# KiCad board RADAR_Main_Boardq.kicad_pcb (continued)
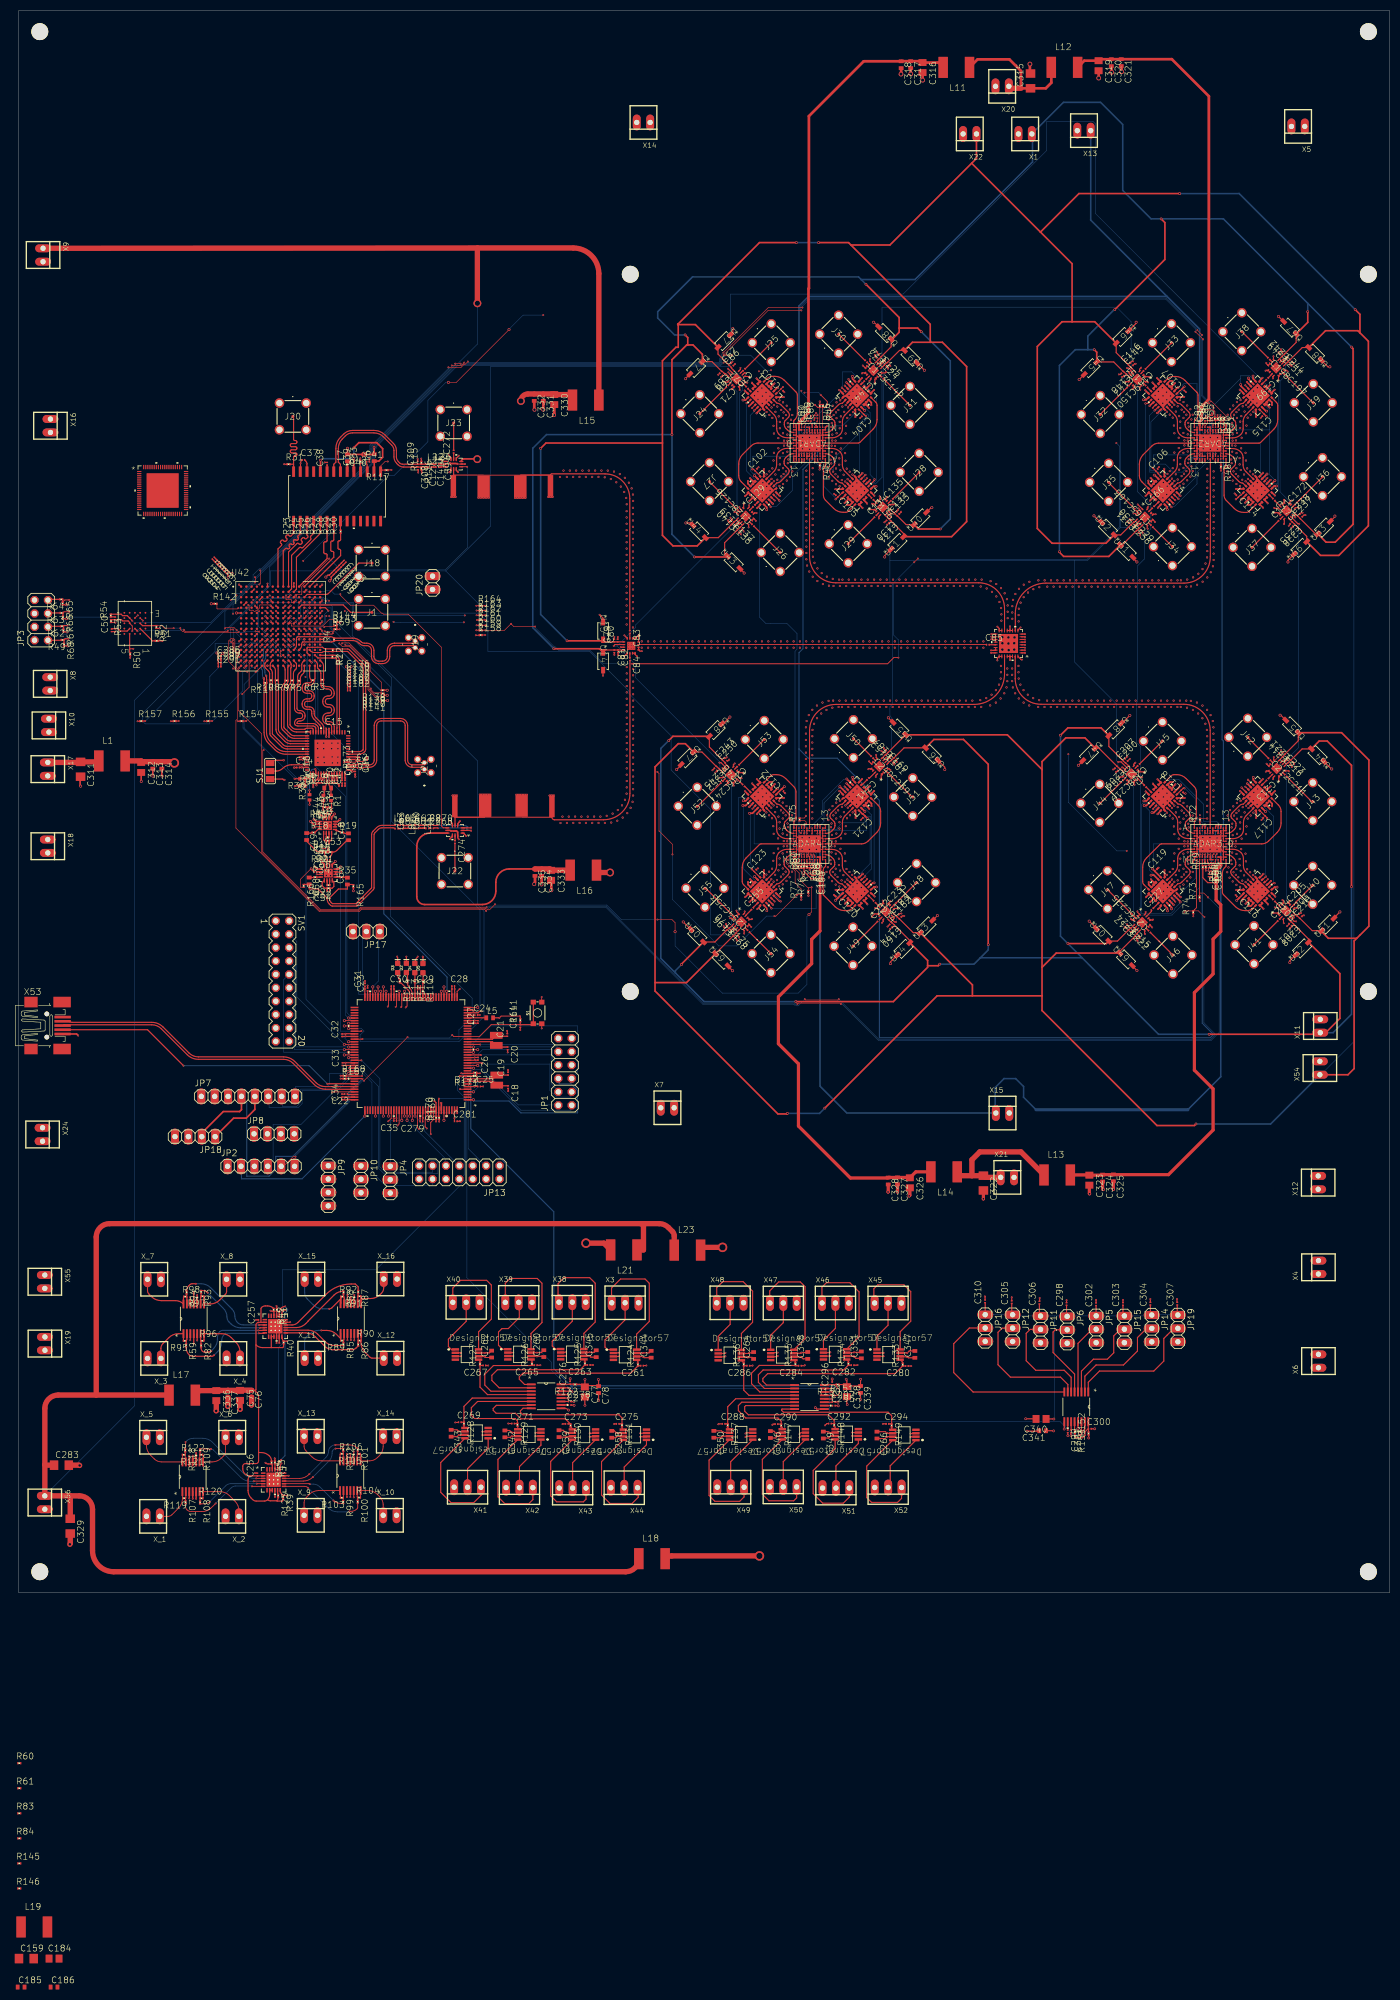
[diagram p0: board, top side]
## Nets (continued)
N$53: ADAR2_0.N9 C93.1
N$56: C44.1 U4.11
N$57: ADAR3_0.B3 R72.1
N$58: C61.1 L3.2
N$59: ADAR3_0.M9 C95.1
N$60: ADAR3_0.M8 C94.1
N$61: ADAR3_0.N10 C96.1
N$62: C62.1 L4.2
N$63: ADAR3_0.N9 C97.1
N$64: ADAR4_0.B3 R75.1
N$65: C45.1 U4.10
N$66: ADAR1_0.N9 C91.1
N$67: C46.2 R16.1 R17.2
N$68: ADAR4_0.M9 C99.1
N$69: ADAR4_0.M8 C98.1
N$70: ADAR4_0.N10 C100.1
N$71: C64.1 L9.2
N$72: C274.1 U13.11
N$73: C48.2 R19.2
N$74: C70.2 RF_SW_3.3
N$75: ADAR4_0.N9 C101.1
N$76: ADAR1_0.M9 C89.1
N$77: ADAR1_0.M8 C88.1
N$78: C49.1 R18.1
N$79: ADAR1_0.N10 C90.1
N$80: ADAR2_0.N5 R55.1 R78.2
N$81: ADAR3_0.N4 R56.1 R79.2
N$82: C65.1 L10.2
N$83: ADAR4_0.N5 R58.1 R81.2
N$84: ADAR4_0.N4 R57.1 R80.2
N$85: C54.2 R32.2 U8.1
N$86: C54.1 R32.1 U8.4
N$87: R22.1 U8.3
N$88: R22.2 U8.2
N$89: R35.1 U8.5
N$91: R112.2 U2.53
N$92: D3.A R114.1
N$93: R113.2 U2.54
N$94: R114.2 U2.55
N$95: D2.A R113.1
N$96: C39.1 U3.19
N$97: D4.A R112.1
N$98: D5.A R110.1
N$99: C141.1 L22.2 L26.1
N$100: C72.1 RF_SW_3.15
N$101: C141.2 L25.2 L27.1
N$102: C56.2 U8.14
N$103: R34.2 U8.16
N$104: C51.1 U8.11
N$105: C52.1 U8.10
N$106: R138.2 U42.M9
N$107: R139.2 U42.M10
N$108: R140.2 U42.M11
N$109: R141.2 U42.L9
N$110: C53.2 R20.1 R21.2
N$111: C57.2 R35.2
N$112: C58.1 R34.1
N$113: C63.1 C64.2 L3.1 L8.2
N$114: R142.2 U42.E7
N$115: R144.1 U42.H10
N$116: R143.1 U42.K10
N$125: C63.2 C65.2 L4.1 L8.1
N$127: C71.1 RF_SW_3.10
N$128: C70.1 J25.1
N$129: C71.2 J24.1
N$130: C126.2 RF_SW_1.3
N$131: C129.1 RF_SW_1.15
N$132: C128.1 RF_SW_1.10
N$133: C126.1 J27.1
N$134: C128.2 J26.1
N$135: C134.2 RF_SW_2.3
N$136: C136.1 RF_SW_2.15
N$137: C135.1 RF_SW_2.10
N$138: C134.1 J29.1
N$139: C135.2 J28.1
N$140: C142.2 RF_SW_4.3
N$141: C144.1 RF_SW_4.15
N$142: C143.1 RF_SW_4.10
N$143: C142.1 J31.1
N$144: C143.2 J30.1
N$145: C149.2 RF_SW_7.3
N$146: C151.1 RF_SW_7.15
N$147: C150.1 RF_SW_7.10
N$148: C149.1 J33.1
N$149: C150.2 J32.1
N$150: C163.2 RF_SW_5.3
N$151: C166.1 RF_SW_5.15
N$152: C165.1 RF_SW_5.10
N$153: C163.1 J35.1
N$154: C165.2 J34.1
N$155: C171.2 RF_SW_6.3
N$156: C173.1 RF_SW_6.15
N$157: C172.1 RF_SW_6.10
N$158: C171.1 J37.1
N$159: C172.2 J36.1
N$160: C197.2 RF_SW_8.3
N$161: C199.1 RF_SW_8.15
N$162: C198.1 RF_SW_8.10
N$163: C197.1 J39.1
N$164: C198.2 J38.1
N$165: C204.2 RF_SW_10.3
N$166: C206.1 RF_SW_10.15
N$167: C205.1 RF_SW_10.10
N$168: C204.1 J41.1
N$169: C205.2 J40.1
N$170: C211.2 RF_SW_12.3
N$171: C213.1 RF_SW_12.15
N$172: C212.1 RF_SW_12.10
N$173: C211.1 J43.1
N$174: C212.2 J42.1
N$175: C218.2 RF_SW_11.3
N$176: C220.1 RF_SW_11.15
N$177: C219.1 RF_SW_11.10
N$178: C218.1 J45.1
N$179: C219.2 J44.1
N$180: C225.2 RF_SW_9.3
N$181: C227.1 RF_SW_9.15
N$182: C226.1 RF_SW_9.10
N$183: C225.1 J47.1
N$184: C226.2 J46.1
N$185: C232.2 RF_SW_14.3
N$186: C234.1 RF_SW_14.15
N$187: C233.1 RF_SW_14.10
N$188: C232.1 J49.1
N$189: C233.2 J48.1
N$190: C239.2 RF_SW_16.3
N$191: C241.1 RF_SW_16.15
N$192: C240.1 RF_SW_16.10
N$193: C239.1 J51.1
N$194: C240.2 J50.1
N$195: C246.2 RF_SW_15.3
N$196: C248.1 RF_SW_15.15
N$197: C247.1 RF_SW_15.10
N$198: C246.1 J53.1
N$199: C247.2 J52.1
N$200: C253.2 RF_SW_13.3
N$201: C255.1 RF_SW_13.15
N$202: C254.1 RF_SW_13.10
N$203: C253.1 J55.1
N$204: C254.2 J54.1
N$205: R43.2 U69.21
N$206: OPA_4.2 R85.1 R89.1
N$207: U11.8 X3.1
N$208: OPA_4.6 R86.1 R90.1
N$209: U11.1 X3.2
N$210: R124.2 U11.5
N$211: C261.2 R124.1 U10.1
N$212: U73.8 X38.1
N$213: OPA_4.9 R87.2 R91.2
N$214: U73.1 X38.2
N$215: R125.2 U73.5
N$216: OPA_4.13 R88.2 R92.2
N$217: C263.2 R125.1 U10.2
N$218: U74.8 X39.1
N$219: U74.1 X39.2
N$220: R126.2 U74.5
N$221: R41.2 U7.21
N$222: OPA_2.2 R59.1 R95.1
N$223: C265.2 R126.1 U10.3
N$224: OPA_2.6 R82.1 R96.1
N$225: U75.8 X40.1
N$226: U75.1 X40.2
N$227: R127.2 U75.5
N$228: OPA_2.9 R93.2 R97.2
N$229: C267.2 R127.1 U10.4
N$230: U76.8 X41.1
N$231: OPA_2.13 R94.2 R98.2
N$232: U76.1 X41.2
N$233: R128.2 U76.5
N$234: C269.2 R128.1 U10.5
N$235: U77.8 X42.1
N$236: U77.1 X42.2
N$237: R129.2 U77.5
N$238: OPA_3.2 R99.1 R103.1
N$239: C271.2 R129.1 U10.6
N$240: OPA_3.6 R100.1 R104.1
N$241: U78.8 X43.1
N$242: U78.1 X43.2
N$243: R130.2 U78.5
N$244: OPA_3.9 R101.2 R105.2
N$245: C273.2 R130.1 U10.7
N$246: U79.8 X44.1
N$247: OPA_3.13 R102.2 R106.2
N$248: U79.1 X44.2
N$249: R131.2 U79.5
N$250: C275.2 R131.1 U10.8
N$251: C277.1 U10.10
N$252: C276.1 R132.2 U10.16
N$253: C278.1 U10.11
N$254: OPA_1.2 R107.1 R119.1
N$255: U80.8 X45.1
N$256: OPA_1.6 R108.1 R120.1
N$257: U80.1 X45.2
N$258: R133.2 U80.5
N$259: C280.2 R133.1 U88.1
N$260: OPA_1.9 R109.2 R121.2
N$261: U81.8 X46.1
N$262: U81.1 X46.2
N$263: OPA_1.13 R118.2 R122.2
N$264: R134.2 U81.5
N$265: C282.2 R134.1 U88.2
N$266: U82.8 X47.1
N$267: U82.1 X47.2
N$268: R135.2 U82.5
N$269: C284.2 R135.1 U88.3
N$270: U83.8 X48.1
N$271: U83.1 X48.2
N$272: R136.2 U83.5
N$273: C286.2 R136.1 U88.4
N$274: U84.8 X49.1
N$275: U84.1 X49.2
N$276: R137.2 U84.5
N$277: C288.2 R137.1 U88.5
N$278: U85.8 X50.1
N$279: U85.1 X50.2
N$280: R147.2 U85.5
N$281: C290.2 R147.1 U88.6
N$282: U86.8 X51.1
N$283: U86.1 X51.2
N$284: R148.2 U86.5
N$285: C292.2 R148.1 U88.7
N$286: U87.8 X52.1
N$287: U87.1 X52.2
N$288: R149.2 U87.5
N$289: C294.2 R149.1 U88.8
N$290: C295.1 U88.10
N$291: C296.1 R150.2 R151.2 U88.16
N$292: C297.1 U88.11
N$293: R151.1 U88.13
N$294: R153.1 U89.12
N$295: JP5.2 U89.4
N$296: JP6.2 U89.5
N$297: JP19.2 U89.1
N$298: JP12.2 U89.7
N$299: JP14.2 U89.2
N$300: C60.1 C61.2 L2.2 L24.1
N$301: JP16.2 U89.8
N$302: C299.1 U89.10
N$303: C300.1 R152.2 R153.2 U89.16
N$304: C301.1 U89.11
N$305: C60.2 C62.2 L2.1 L28.1
N$306: JP11.2 U89.6
N$307: JP15.2 U89.3
N$308: C268.1 L24.2
N$309: C270.1 L28.2
PA_BIAS1_1: ADAR1_0.A10 ADTR1107_3.7 C103.1
PA_BIAS1_2: ADAR2_0.A10 ADTR1107_7.7 C107.1
PA_BIAS1_3: ADAR3_0.A10 ADTR1107_10.7 C116.1
PA_BIAS1_4: ADAR4_0.A10 ADTR1107_14.7 C120.1
PA_BIAS2_1: ADAR1_0.A9 ADTR1107_1.7 C102.1
PA_BIAS2_2: ADAR2_0.A9 ADTR1107_5.7 C106.1
PA_BIAS2_3: ADAR3_0.A9 ADTR1107_12.7 C117.1
PA_BIAS2_4: ADAR4_0.A9 ADTR1107_16.7 C121.1
PA_BIAS3_1: ADAR1_0.A5 ADTR1107_2.7 C105.1
PA_BIAS3_2: ADAR2_0.A5 ADTR1107_6.7 C114.1
PA_BIAS3_3: ADAR3_0.A5 ADTR1107_11.7 C118.1
PA_BIAS3_4: ADAR4_0.A5 ADTR1107_15.7 C122.1
PA_BIAS4_1: ADAR1_0.A4 ADTR1107_4.7 C104.1
PA_BIAS4_2: ADAR2_0.A4 ADTR1107_8.7 C115.1
PA_BIAS4_3: ADAR3_0.A4 ADTR1107_9.7 C119.1
PA_BIAS4_4: ADAR4_0.A4 ADTR1107_13.7 C123.1
RF_IO: C85.2 U16.21
RF_IO_1: ADAR1_0.A7 U16.14
RF_IO_2: ADAR2_0.A7 U16.10
RF_IO_3: ADAR3_0.A7 U16.31
RF_IO_4: ADAR4_0.A7 U16.27
RF_RX: U13.5 U$3.P$1
RF_RX_FIL: C84.2 U$3.P$2
RF_TX: U5.5 U$2.P$2
RF_TX_FIL: C83.1 U$2.P$1
RX1_1: ADAR1_0.J13 ADTR1107_3.2
RX1_2: ADAR2_0.J13 ADTR1107_7.2
RX1_3: ADAR3_0.J13 ADTR1107_10.2
RX1_4: ADAR4_0.J13 ADTR1107_14.2
RX2_1: ADAR1_0.C13 ADTR1107_1.2
RX2_2: ADAR2_0.C13 ADTR1107_5.2
RX2_3: ADAR3_0.C13 ADTR1107_12.2
RX2_4: ADAR4_0.C13 ADTR1107_16.2
RX3_1: ADAR1_0.E1 ADTR1107_2.2
RX3_2: ADAR2_0.E1 ADTR1107_6.2
RX3_3: ADAR3_0.E1 ADTR1107_11.2
RX3_4: ADAR4_0.E1 ADTR1107_15.2
RX4_1: ADAR1_0.L1 ADTR1107_4.2
RX4_2: ADAR2_0.L1 ADTR1107_8.2
RX4_3: ADAR3_0.L1 ADTR1107_9.2
RX4_4: ADAR4_0.L1 ADTR1107_13.2
STEPPER_CLK+: JP9.4 U2.119
STEPPER_CW+: JP9.2 U2.118
STM32_MISO1: U2.42 U42.G14
STM32_MISO4: JP1.8 JP13.1 U2.4
STM32_MISO_1V8: ADAR1_0.M4 ADAR2_0.M4 ADAR3_0.M4 ADAR4_0.M4 R164.2 U42.N3
STM32_MOSI1: U2.43 U42.H13
STM32_MOSI4: JP1.7 JP13.3 U2.5
STM32_MOSI_1V8: ADAR1_0.M5 ADAR2_0.M5 ADAR3_0.M5 ADAR4_0.M5 R163.2 U42.M1
STM32_NRST: C164.2 JP2.5 R111.1 S1.3 S1.4 U2.25
STM32_OSC_32_N: C18.1 U2.8 XTAL3.2
STM32_OSC_32_P: C19.1 U2.9 XTAL3.1
STM32_OSC_N: C20.1 U2.23 XTAL1.2
STM32_OSC_P: C21.1 U2.24 XTAL1.1
STM32_RX3: JP17.2 U2.70
STM32_RX5: JP8.3 U2.116
STM32_SCL1: R170.2 U2.136 U7.20 U69.20
STM32_SCL2: R172.2 U2.11 U10.14 U88.14 U89.14
STM32_SCL3: JP7.4 JP18.2 R167.2 U2.100
STM32_SCLK1: U2.41 U42.J16
STM32_SCLK4: JP1.6 JP13.2 U2.1
STM32_SCLK_1V8: ADAR1_0.M6 ADAR2_0.M6 ADAR3_0.M6 ADAR4_0.M6 R162.2 U42.P5
STM32_SDA1: R169.2 U2.137 U7.19 U69.19
STM32_SDA2: R171.2 U2.10 U10.15 U88.15 U89.15
STM32_SDA3: JP7.5 JP18.1 R168.2 U2.99
STM32_SWCLK: JP2.2 U2.109
STM32_SWDIO: JP2.4 U2.105
STM32_SWO: JP2.6 U2.133
STM32_TX3: JP17.1 U2.69
STM32_TX5: JP8.2 U2.113
STM32_USB_FS_D_N: U2.103 X53.2
STM32_USB_FS_D_P: U2.104 X53.3
STM32_USB_FS_ID: U2.102 X53.4
TR_SW_POS_1: ADAR1_0.B5 ADTR1107_1.20 ADTR1107_2.20 ADTR1107_3.20 ADTR1107_4.20
TR_SW_POS_2: ADAR2_0.B5 ADTR1107_5.20 ADTR1107_6.20 ADTR1107_7.20 ADTR1107_8.20
TR_SW_POS_3: ADAR3_0.B5 ADTR1107_9.20 ADTR1107_10.20 ADTR1107_11.20 ADTR1107_12.20
TR_SW_POS_4: ADAR4_0.B5 ADTR1107_13.20 ADTR1107_14.20 ADTR1107_15.20 ADTR1107_16.20
TX1_1: ADAR1_0.L13 ADTR1107_3.5
TX1_2: ADAR2_0.L13 ADTR1107_7.5
TX1_3: ADAR3_0.L13 ADTR1107_10.5
TX1_4: ADAR4_0.L13 ADTR1107_14.5
TX2_1: ADAR1_0.E13 ADTR1107_1.5
TX2_2: ADAR2_0.E13 ADTR1107_5.5
TX2_3: ADAR3_0.E13 ADTR1107_12.5
TX2_4: ADAR4_0.E13 ADTR1107_16.5
TX3_1: ADAR1_0.C1 ADTR1107_2.5
TX3_2: ADAR2_0.C1 ADTR1107_6.5
TX3_3: ADAR3_0.C1 ADTR1107_11.5
TX3_4: ADAR4_0.C1 ADTR1107_15.5
TX4_1: ADAR1_0.J1 ADTR1107_4.5
TX4_2: ADAR2_0.J1 ADTR1107_8.5
TX4_3: ADAR3_0.J1 ADTR1107_9.5
TX4_4: ADAR4_0.J1 ADTR1107_13.5
VG_1: OPA_2.14 R98.1 X_7.1
VG_2: OPA_4.8 R91.1 X_16.1
VG_3: OPA_2.8 R97.1 X_8.1
VG_4: OPA_4.14 R92.1 X_15.1
VG_5: OPA_2.7 R96.2 X_4.1
VG_6: OPA_4.1 R89.2 X_11.1
VG_7: OPA_2.1 R95.2 X_3.1
VG_8: OPA_4.7 R90.2 X_12.1
VG_9: OPA_1.14 R122.1 X_5.1
VG_10: OPA_3.8 R105.1 X_14.1
VG_11: OPA_1.8 R121.1 X_6.1
VG_12: OPA_3.14 R106.1 X_13.1
VG_13: OPA_1.7 R120.2 X_2.1
VG_14: OPA_3.1 R103.2 X_9.1
VG_15: OPA_1.1 R119.2 X_1.1
VG_16: OPA_3.7 R104.2 X_10.1

Pads without a net: ADAR1_0 A3 B4; ADAR2_0 A3 B4; ADAR3_0 A3 B4; ADAR4_0 A3 B4; JP3 4 6; JP4 2; JP7 1; JP10 2; R60 1 2; R61 1 2; R83 1 2; R84 1 2; R145 1 2; R146 1 2; U1 1 2 25 28 51 52 53 54 55 56; U2 2 3 7 12 26 27 28 29 40 44 45 46 47 48 49 73 74 75 76 101 110 111 112 114 115 117 141 142; U3 9 10 11 12 13 14 25; U6 1 3 4 5 6 7 8 9 10 11 12 13 15 16 17 18 19 21 22 23 25 26 27 29 30 31 32 33 34 35 36 39 40 41 42 43 44 45 46 47 48 50 51 52 53 54 55 56 57 58 60 61 62 63 64 65 66 67 69 70 71 72 73 74 75 76 77; U7 1 7 18 23 24 V V_1 V_2 V_3 V_4 V_5 V_6 V_7 V_8; U9 A2 A3 A5 B1 B5 C1 C3 C5 D1 D5 E1 E2 E3 E4 E5; U11 4; U42 A2 A3 A4 A5 A7 B1 B2 B4 B5 B6 B7 B9 B12 B14 B15 B16 C1 C2 C3 C4 C6 C7 C8 C9 C12 C14 C16 D1 D3 D4 D5 D6 D8 D9 D10 D13 D14 D15 E1 E2 E3 E5 E6 E11 E13 F2 F3 F4 F5 F12 G1 G2 G4 G5 G11 H1 H2 H3 H4 H5 J1 J3 J4 J5 K1 K2 K3 K5 K12 K13 L2 L3 L14 M12 M14 M15 M16 N9 N13 N16 P6 P8 P9 P10 P11 P13 R5 R8 R12 T3 T12; U69 1 7 18 23 24 V V_1 V_2 V_3 V_4 V_5 V_6 V_7 V_8; U73 4; U74 4; U75 4; U76 4; U77 4; U78 4; U79 4; U80 4; U81 4; U82 4; U83 4; U84 4; U85 4; U86 4; U87 4; X53 1 M1 M2 M3 M4

## Via types
v1: diameter 0.35, hole 0.15, Top to Bottom, 1045 vias
v2: diameter 0.4, hole 0.2, Top to Bottom, 1367 vias
v3: diameter 0.5, hole 0.3, Top to Bottom, 332 vias
v4: diameter 0.9, hole 0.6, Top to Bottom, 7 vias
v5: diameter 0.55, hole 0.35, Top to Bottom, 113 vias
v6: diameter 0.75, hole 0.5, Top to Bottom, 21 vias
v7: diameter 1.5, hole 1, Top to Bottom, 4 vias
v8: diameter 1.8, hole 1.2, Top to Bottom, 4 vias

## Routing (per net, layer and track width the routed paths; a pad name or vN(x,y) marks a point on that pad's centre or on a via; arc(x,y) is an arc through that point)
+1V0_FPGA: length 5.3
  Top w0.15: U42.J6 v2(46.81,182.41) ; U42.F9 v2(50.55,186.15) ; U42.G6 v2(46.81,185.15) ; U42.F7 v2(47.81,186.15) ; U42.F11 v2(52.55,186.15) ; U42.H9 v2(50.55,184.15) ; U42.L8 v2(48.81,180.41) ; U42.J8 v2(48.81,182.41) ; U42.K9 v2(50.55,181.41) ; U42.E10 v2(51.55,187.15)
+1V8_CLOCK: length 10
  Top w1: L1.1 15.19,157.54 C311.1 11.73,157.44 X17.1
+1V8_CLOCK_F: length 32.3
  Top w0.15: C293.2 65.3,157.6 64,157.6 63.9,157.5 U1.46
  Top w0.204: v2(50.25,157.85) 48.93,157.85 arc(48.25,157.72) SJ1.3
  Top w0.25: C11.2 61.32,154.04 v2(61.32,154.48) 61.35,154.51 U1.41 ; U1.43 63.01,156 v2(63.27,155.73) 63.81,155.73 C13.2 ; U1.27 v2(53.7,156.5) 53.26,156.5 C14.2 ; U1.39 60.35,154.51 v2(60.37,154.48) 60.4,154.46 C10.2 ; U1.32 v2(56.85,154.5) 56.47,154.12 C5.2 ; U1.38 59.87,155.33 v2(59.87,154.48) 59.87,154.02 C9.2 ; U1.34 57.87,155.33 v2(57.87,154.48) 57.62,154.23 C7.2 ; U1.33 57.37,155.33 v2(57.37,154.48) 57.04,154.16 C6.2 ; U1.46 61.76,157.5 v2(61.72,157.46) ; C4.2 55.87,154.18 v2(55.85,154.2) U1.30 ; C8.2 59.4,154.46 v2(59.37,154.48) 59.37,155.33 U1.37 ; C12.2 61.9,154.46 v2(61.87,154.48) 61.85,154.51 U1.42
  Top w1: L1.2 23.23,157.73 C312.1 23.23,157.58 C313.1 27.15,157.58 C314.1 29.52,157.58 v8(29.52,157.35)
+1V8_FPGA: length 13.8
  Top w0.15: U42.G10 v2(51.55,185.15) ; U42.G8 v2(48.81,185.15) ; v1(35.2,165.25) 35.62,165.25 R155.1 ; v1(28.85,165.25) 29.27,165.25 R156.1 ; U42.T1 v2(41.81,175.41) ; U42.F8 v2(48.81,186.15) ; U42.M3 v2(43.81,179.41) ; U42.L10 v2(51.55,180.41) ; v1(22.55,165.25) 22.92,165.25 R157.1 ; U42.J10 v2(51.55,182.41) ; v1(41.55,165.25) 41.98,165.25 R154.1 ; U42.R4 v2(44.81,176.41)
  Top w0.204: C291.2 C287.2 C289.2 C285.2 38.35,177.78 v5(38.73,178.15) ; U42.K11 v1(52.18,181.78)
  Top w0.25: U1.47 63.87,158 v1(63.93,157.95) 64.47,157.95 C36.2 ; C15.2 58.85,163.85 U1.7 v2(58.85,162.32) ; U1.24 v2(53.85,158) 53.3,158 C16.2
+3V3: length 37.5
  Top w0.15: v1(91.18,109.03) 91.5,109.35 v1(95.05,109.35)
  Top w0.2: C34.1 62,93.49 v1(62,93.5) 63.69,93.5 U2.108 ; C32.1 61.34,105.5 v1(62,105.5) 63.69,105.5 U2.84 ; U2.131 76.65,91.51 76.65,90.1 ; C26.1 87.09,101.5 v1(86.5,101.5) 86.5,101.48 U2.17 ; U2.6 86.5,95.98 v1(86.5,96) C25.1 ; U2.121 71.65,91.51 v1(71.65,89.99) 71.66,89.99 C35.1 ; v1(76.65,89.99) 76.65,90.1 ; 76.65,90.1 76.63,90.1 C279.1 ; C281.1 82.66,89.99 v1(82.65,89.99) 82.65,91.51 U2.143 U2.144 ; L5.2 91.18,109.02 v1(91.18,109.03) ; C27.1 87.1,108 v1(86.5,108) 85.13,108 U2.30 ; U2.39 82.16,114.49 v1(82.15,114.49) 82.16,114.49 C28.1 ; C31.1 65.66,114.49 v1(65.65,114.49) 65.65,112.95 U2.72 ; C29.1 75.7,114.49 v1(75.65,114.49) 75.65,112.95 U2.52 ; U2.62 70.65,112.95 v1(70.65,114.49) 70.66,114.49 C30.1 ; C33.1 62,99.99 v1(62,100) 63.69,100 U2.95
  Top w0.204: R111.2 95.14,109.13 arc(95.12,109.25) v1(95.05,109.35) ; v1(87.5,98.5) 87.12,98.5 arc(86.97,98.53) R172.1 R171.1 ; R170.1 79.17,89.4 arc(79.16,89.37) v1(79.15,89.35) ; v1(61.05,97.5) 61.52,97.5 arc(61.54,97.49) R167.1 ; R168.1 61.1,98.03 arc(61.07,98.04) v1(61.05,98.05) ; v1(79.75,89.35) 79.75,89.74 arc(79.74,89.78) R169.1
+3V3_ADAR1_F: length 91
  Top w0.3: 148,221.55 ADAR1_0.N11 ADAR1_0.M11 ADAR1_0.M10
  Top w0.5: 148,221.55 148,221.9 149.8,223.7 149.8,247.25 149.88,247.33 149.88,279.98 160.28,290.38 C318.1 167.4,290.4 C317.1 171.17,290.4 C316.1 174.43,290.14 L11.2
+3V3_ADAR2_F: length 96.7
  Top w0.15: R78.1 226.88,224 226.6,224.28 224.35,224.28
  Top w0.3: ADAR2_0.M10 ADAR2_0.M11 ADAR2_0.N11 224,221.4
  Top w0.5: L12.2 202.12,290.49 C319.1 205.11,290.77 C320.1 207.25,290.78 C321.1 218.72,290.78 225.75,283.75 225.75,226.3 224.35,224.9 224.35,222.4 224,222.05 224,221.4
+3V3_ADAR3_F: length 91.9
  Top w0.204: 227.12,134.65 225.53,134.65 224.6,135.57 R79.1
  Top w0.3: 228,138.35 ADAR3_0.N11 ADAR3_0.M11 ADAR3_0.M10
  Top w0.5: 207.59,79.29 C325.1 ; 203.04,79.23 C323.1 ; 205.49,79.19 C324.1
  Top w0.6: 228,138.35 228,137.9 227.12,137.03 227.12,131.32 228,130.45 228,125.4 226.55,123.95 226.55,117.35 223,113.8 223,99.1 226.55,95.55 226.55,87.75 218.09,79.29 C324.1 ; C323.1 205.49,79.19 ; L13.2 203.04,79.23
+3V3_ADAR4_F: length 90.9
  Top w0.2: R80.1 R81.1 148.95,136.78 150.35,135.38 152,135.38
  Top w0.3: 152,138.4 ADAR4_0.N11 ADAR4_0.M11 ADAR4_0.M10
  Top w0.5: 157.8,78.65 157.75,78.65 ; 152,125.5 152,138.4 ; 168.96,78.76 C326.1 ; 164.85,78.65 C328.1 164.96,78.76
  Top w0.6: 168.96,78.76 C327.1 164.96,78.76 ; 157.75,78.65 147.9,88.5 147.9,100.3 144.1,104.1 144.1,113 150.4,119.3 150.4,123.9 152,125.5 ; 157.8,78.65 164.85,78.65 ; L14.2 170.16,79.82 C326.1
+3V3_ADAR12: length 26.1
  Top w0.5: L11.1 181.88,290.75 187.9,290.75 190.1,288.55 190.1,285.26 C315.1 194.81,285.26 195.86,286.31 L12.1
  Top w1: 190.1,285.26 188.18,285.26 X20.1
+3V3_ADAR34: length 28.9
  Top w0.5: 194.84,79.81 194.85,79.8 194.22,79.18 194.41,79.18 L13.1
  Top w1: 180.8,79.09 178.75,79.09 L14.1 ; 180.8,79.09 180.8,82.1 182.3,83.6 190.1,83.6 L13.1 ; 180.8,79.09 C322.1 183.3,78.77 X21.1
+3V3_ADTR: length 16.5
  Top w0.1: 155.71,152.01 155.7,152 v2(155.67,152.03) ; 219.67,208.66 219.65,208.65 ADTR1107_5.24 ; 231.7,152 v2(231.67,152) ; 156.36,151.37 156.35,151.35 ADTR1107_16.24 ; ADTR1107_12.24 232.35,151.35 232.35,151.35 ; v2(236.07,136.3) 236.05,136.3 236.07,136.27 ; v2(160.03,212.3) 160,212.3 160.03,212.27 ; v2(220.4,131.9) 220.37,131.9 ; v2(140.03,147.68) 140.05,147.7 140.04,147.71 ; 232.31,227.44 232.35,227.35 ADTR1107_8.24 ; 143.69,208.61 143.65,208.65 ADTR1107_1.24 ; ADTR1107_13.24 143.65,132.65 143.72,132.58 ; ADTR1107_15.24 140.65,148.35 140.66,148.34 ; v2(144.4,131.93) 144.4,131.95 144.37,131.93 ; 216.67,148.33 216.65,148.35 ADTR1107_11.24 ; 156.33,227.39 156.35,227.35 ADTR1107_4.24 ; ADTR1107_14.24 159.4,135.65 159.42,135.64 ; 231.65,228.1 v2(231.62,228.1) ; 235.43,135.62 235.4,135.65 ADTR1107_10.24 ; 216.03,147.68 216.05,147.65 v2(216.03,147.65) ; 160.06,136.29 160.05,136.3 v2(160.07,136.32) ; ADTR1107_9.24 219.65,132.65 219.72,132.56 ; v2(236,212.35) 236,212.32 ; 159.4,211.65 ADTR1107_2.24 ; 235.36,211.69 235.4,211.65 ADTR1107_6.24 ; v2(220.35,208) 220.32,208 ; v2(155.65,228.05) 155.68,228.05 ; 144.35,207.95 v2(144.38,207.95)
  Top w0.3: 216.03,147.68 216.68,148.33 ; 231.7,152 ADTR1107_12.24 232.36,151.34 ; v2(215.95,223.7) 216,223.7 ADTR1107_7.24 ; 236,212.32 235.34,211.67 ; 219.67,208.66 220.32,208 ; 236.07,136.27 235.42,135.62 ; 156.36,151.37 155.7,152.03 ; v2(139.97,223.65) 139.97,223.68 ADTR1107_3.24 ; 232.31,227.44 231.65,228.1 ; 140.68,148.36 140.03,147.7 ; 160.07,136.3 159.42,135.64 ; 156.33,227.39 155.68,228.05 ; 143.72,132.58 144.37,131.93 ; 219.72,132.56 220.37,131.9 ; 159.37,211.62 160.03,212.27 ; 143.69,208.61 144.35,207.95
+3V3_AN: length 869.6
  Top w0.3: 65.72,215.82 67.38,215.82 L6.2 67.44,217.17 v3(67.4,217.2) ; 65.72,215.82 C40.1 ; 65.72,215.82 65.72,216.06 C42.1
  Top w1: 4.95,24.3 4.95,34.96 arc(5.69,36.76) 7.49,37.5 14.7,37.5 ; 4.95,24.3 X56.1 9.8,18.39 ; 4.95,24.3 5.05,24.2 C283.1 ; 9.8,18.39 9.78,18.37 C329.1 ; 9.8,18.39 11.46,18.39 arc(13.26,17.65) 14,15.85 14,8 arc(15.17,5.17) 18,4 115.14,4 arc(116.89,4.73) L18.1 ; 118,70 121.45,70 arc(122.42,69.81) 123.24,69.26 124,68.5 arc(124.25,68.12) 124.34,67.68 L23.1 ; 118,70 17.24,70 arc(15.44,69.26) 14.7,67.46 14.7,37.5 ; 118,70 arc(118.35,69.85) 118.5,69.5 118.5,65.02 L21.1 ; 14.7,37.5 28.49,37.5 arc(28.5,37.49) L17.1 ; L15.1 110.03,250.12 arc(108.61,253.56) 105.17,254.98 87,254.98 ; v7(112.17,136.57) 110.04,136.57 arc(109.73,136.71) L16.1 ; 87,254.98 v7(87,244.5) ; 87,254.98 X9.1
  In2.Cu w1: v7(87,244.5) 87,238.54 arc(87.74,236.74) 89.54,236 90.5,236 arc(91.21,235.71) 91.5,235 91.5,145.54 arc(92.21,143.83) 93.91,143.12 113.19,143.12 arc(114.98,142.38) 115.72,140.59 115.72,138.4 arc(115.19,137.11) 113.9,136.57 v7(112.17,136.57)
  Bottom w0.1: X56.1 5,18.5 22,35.5 22,169.25 67.25,214.5 67.25,217 v3(67.4,217.2) 67.5,217.25 87,236.75 v7(87,244.5)
+3V3_AN1_F: length 32.8
  Top w0.3: U5.9 arc(84.08,214.86) 84.43,215 86.93,215 arc(86.96,214.99) v7(86.97,214.95)
  Top w1: L15.2 arc(104.73,226.88) 103.99,227.19 C330.1 arc(101.55,227.27) 101.47,227.3 C331.1 C332.1 96.57,227.3 arc(95.64,226.91) v7(95.25,225.97)
  In3.Cu w1: v7(86.97,214.95) 86.97,214.93 92.71,214.93 arc(94.51,215.67) 95.25,217.47 v7(95.25,225.97)
+3V3_AN2_F: length 51.5
  Top w0.3: U13.9 78.04,144.05 arc(76.24,143.31) 75.5,141.51 75.5,132 arc(75.94,130.94) 77,130.5 87.96,130.5 arc(89.76,131.24) 90.5,133.04 90.5,134.71 arc(91.24,136.51) 93.04,137.25 97.95,137.25
  Top w1: L16.2 101.01,137.02 arc(100.99,137.01) C333.1 arc(100.9,137.17) 100.72,137.25 C334.1 97.95,137.25 arc(97.94,137.24) C335.1
+3V3_AN3_F: length 81
  Top w0.2: U7.2 45.5,51.29 arc(45.47,51.28) C257.1 arc(45.13,51.11) 45,50.79 45,38.5 arc(44.98,38.45) 44.92,38.42 C76.1 arc(45.11,38.04) 45.5,37.1 45.5,25 arc(45.35,24.65) 45,24.5 43,24.5 arc(42.65,24.35) 42.5,24 42.5,23.5 arc(42.89,22.56) 43.83,22.17 C256.1 46.36,22.17 arc(46.37,22.18) U69.2
  Top w0.204: R44.1 47.96,24.96 arc(47.85,25.5) 47.55,25.95 arc(46.83,26.43) 45.98,26.6 45.5,26.6 ; 48.95,17.45 47.68,17.45 arc(47.42,17.5) 47.2,17.65 ; 48.95,17.45 arc(49.14,17.73) 49.2,18.05 R123.2 ; 48.95,17.45 arc(49.01,17.41) 49.07,17.4 50.05,17.4 arc(50.12,17.5) 50.14,17.62 R39.2 ; 47.95,46.5 50.1,46.5 arc(50.2,46.66) 50.24,46.84 R40.2 ; 47.95,46.5 46.21,46.5 arc(45.55,46.63) 45,47 ; 47.95,46.5 arc(47.92,46.54) 47.91,46.6 U7.8 U7.9 ; 45.95,51.29 45.95,53.86 arc(45.98,53.99) 46.05,54.1 arc(46.38,54.32) 46.77,54.4 47.19,54.4 arc(47.82,54.27) R42.1 ; U69.9 U69.8 47.6,18.62 arc(47.5,18.09) 47.2,17.65 ; 43.83,22.17 arc(43.58,21.81) 43.5,21.39 43.5,19.4 arc(43.66,18.61) 44.1,17.95 44.37,17.68 arc(44.68,17.47) 45.05,17.4 46.6,17.4 arc(46.92,17.46) 47.2,17.65
  Top w1: C76.1 42.01,38.42 arc(41.99,38.41) C75.1 39.71,38.39 arc(39.7,38.38) C337.1 37.51,38.37 arc(37.49,38.36) C336.1 34.37,38.34 arc(33.76,38.09) L17.2
+3V3_AN4_F: length 109.2
  Top w0.2: 109.99,39.3 109.99,40.35 arc(109.98,40.41) v3(109.95,40.45) ; 109.99,39.3 C78.1 ; 109.99,39.3 108.01,39.3 arc(107.67,39.23) C77.1 arc(107.39,39.06) 107.4,39.09 ; C338.1 157.08,40.19 arc(157.05,40.36) v3(156.95,40.5) ; C338.1 arc(157.22,39.18) 157.38,39.22 C339.1 159.68,40.44 arc(159.68,40.47) v3(159.7,40.5) ; C338.1 arc(156.64,39.39) 156.11,39.49 R150.1 ; v3(107.4,40.45) 107.4,39.09 ; 107.4,39.09 arc(106.91,39.41) 106.34,39.53 R132.1 ; R152.1 202.95,29.94 v3(202.95,29.35)
  Top w0.204: v3(196.35,32.95) 196.33,32.97 C340.1 ; JP19.1 219.75,52.8 C307.1 ; JP12.1 188.35,52.9 C305.1 ; JP15.1 209.45,52.78 C303.1 ; JP6.1 198.75,52.53 C298.1 ; C310.1 183.32,55 JP16.1 ; C306.1 193.6,52.71 JP11.1 ; JP5.1 204.35,52.54 C302.1 ; JP14.1 214.65,52.94 C304.1 ; C341.1 196.27,30.73 v3(196.3,30.7)
  Top w1: v8(140.5,7) 123.88,7 arc(123.2,6.86) L18.2
  Bottom w0.1: 196.5,52.5 196.5,33 v3(196.35,32.95) ; 196.5,52.5 198.75,52.5 JP6.1 199,52.5 204.25,52.5 JP5.1 204.5,52.5 209.5,52.5 JP15.1 209.75,52.5 214.75,52.5 JP14.1 215,52.75 219.75,52.75 JP19.1 ; 196.5,52.5 194,52.5 JP11.1 193.75,52.5 188.75,52.5 JP12.1 188.5,52.75 JP16.1
+3V3_AN5_F: length 27.4
  Top w0.2: U74.6 97.22,44.85 v2(98.3,44.85) 99.45,44.85 C260.1 ; C345.1 108.51,44.69 v2(108.3,44.9) 107.22,44.9 U73.6 ; C259.1 103.28,30.82 v2(103.8,30.3) 103.84,30.34 U78.6 ; C342.1 93.11,30.79 v2(93.5,30.4) 94.62,30.4 U77.6 ; C343.1 83.14,30.91 v2(83.45,30.6) 84.64,30.6 U76.6 ; C344.1 118.61,44.59 v2(118.4,44.8) 117.22,44.8 U11.6 ; U79.6 v2(113.4,30.3) 112.99,30.71 C258.1 ; C262.1 88.58,44.62 v2(88.4,44.8) 87.28,44.8 U75.6 87.17,44.8
  Top w1: v8(107.6,66.3) 110.99,66.3 L21.2 112.27,66.31
+3V3_AN6_F: length 27.1
  Top w0.2: C266.1 164.39,30.56 v2(164.65,30.3) 164.7,30.25 U87.6 ; U84.6 134.77,30.4 v2(133.6,30.4) 133.29,30.71 C350.1 ; U83.6 138.21,44.74 v2(138.3,44.65) 139.1,44.65 C264.1 ; U81.6 158.36,44.89 v2(158.45,44.8) 158.79,44.46 C351.1 ; C347.1 168.74,44.56 v2(168.55,44.75) 167.29,44.75 U80.6 ; C346.1 143.24,30.66 v2(143.6,30.3) 144.74,30.3 U85.6 ; U82.6 147.11,44.7 v2(148.45,44.7) 148.78,44.37 C348.1 ; U86.6 153.66,30.39 v2(153.6,30.45) 153.48,30.57 C349.1
  Top w1: 129.74,65.38 L23.2 129.86,65.5 v8(133.5,65.5)
+3V3_FPGA: length 75.3
  Top w0.15: U42.L6 v2(46.81,180.41) ; U42.J2 v2(42.81,182.41) ; U42.N10 v2(51.55,178.41) ; U42.H15 v2(56.55,184.15) ; U42.J12 v2(53.55,182.41) ; U42.B13 v2(54.55,190.15) ; U42.D7 v2(47.81,188.15) ; U42.C10 v2(51.55,189.15) ; U42.P7 v2(47.81,177.41) ; U42.E4 v2(44.81,187.15) ; U42.R14 v2(55.55,176.41) ; U42.A16 v2(57.55,191.15)
  Top w0.152: v1(60.86,182.68) 60.35,182.68 R69.2 ; C41.1 66,214.48 v1(66,213.95) 66.1,213.84 U3.17
  Top w0.204: R54.1 18.28,185.04 v1(18.32,185) ; v5(9.07,184.7) 8.4,184.7 R66.2 ; R52.2 26.12,182.85 v1(26.7,182.85) ; v5(69.9,171.12) 69.88,171.15 R138.1 ; U42.M13 v1(54.18,179.78) ; R141.1 69.94,169.17 v5(69.95,169.18) ; v1(47.2,191.35) 47.18,191.33 U42.A6 ; R69.2 R143.2 R144.2 60.38,184.03 v5(60.93,184.03) ; v1(21.15,177.28) 21.15,177.72 R50.2 ; v5(58.26,192.58) 58.64,192.96 C17.2 58.94,192.97 C109.2 C108.2 C110.2 60.3,194.35 C111.2 60.76,194.81 C112.2 61.23,195.29 C113.2 ; v5(39.73,192.54) 39.73,192.98 C55.2 C154.2 C153.2 C155.2 38.09,194.61 C156.2 37.65,195.05 C157.2 36.74,195.95 C158.2 ; C37.1 53.7,214.77 arc(53.51,214.5) v1(53.45,214.18) 53.45,212.68 arc(53.44,212.63) U3.27 ; v5(9.3,179.55) 8.61,179.55 R68.2 ; R65.2 8.36,187.35 v5(9.02,187.35) ; R142.1 37.09,187.53 v5(36.52,187.53) ; v5(63.05,175.6) 62.9,175.44 C176.2 C178.2 C177.2 62.89,173.58 C179.2 62.87,172.92 C180.2 62.87,171.67 C181.2 62.87,171.07 C182.2 ; R53.2 18.3,184 v1(18.35,183.95) ; C50.2 17.69,182.8 v1(18.3,182.8) 18.88,182.8 19.32,182.35 20.57,182.35 U9.B4 ; U42.L16 57.18,180.78 v2(57.83,180.78) ; U42.T11 v1(52.18,175.78) ; v1(44.67,190.25) 44.65,190.25 U42.B3 ; U42.F1 42.17,185.78 v5(41.3,185.78) ; R67.2 8.5,182.2 v5(9.18,182.2) ; U42.E14 v1(55.18,186.78)
  In5.Cu w0.1: v5(60.93,184.03) 60.93,184.31 60.52,184.72 57.12,184.72 v2(56.55,184.15)
  In7.Cu w0.1: 57.6,191.15 v2(57.55,191.15) 57.6,191.15
  In8.Cu w0.152: v1(60.86,182.68) 60.8,182.68 60.8,182.26 59.32,180.78 v2(57.83,180.78)
  Bottom w0.1: JP3.2 3,181.75 9,181.75 ; v1(18.32,185) 9.25,185 ; 9.25,185 9.25,184.75 v5(9.07,184.7) 9,184.5 8.75,184.25 8.75,182.5 9,182.25 v5(9.18,182.2) 9,182 9,181.75 ; 9.25,185 9.25,187.25 v5(9.02,187.35) ; 9,181.75 9,180 9.25,179.75 v5(9.3,179.55)
